# KiCad board latentpink.kicad_pcb (continued)
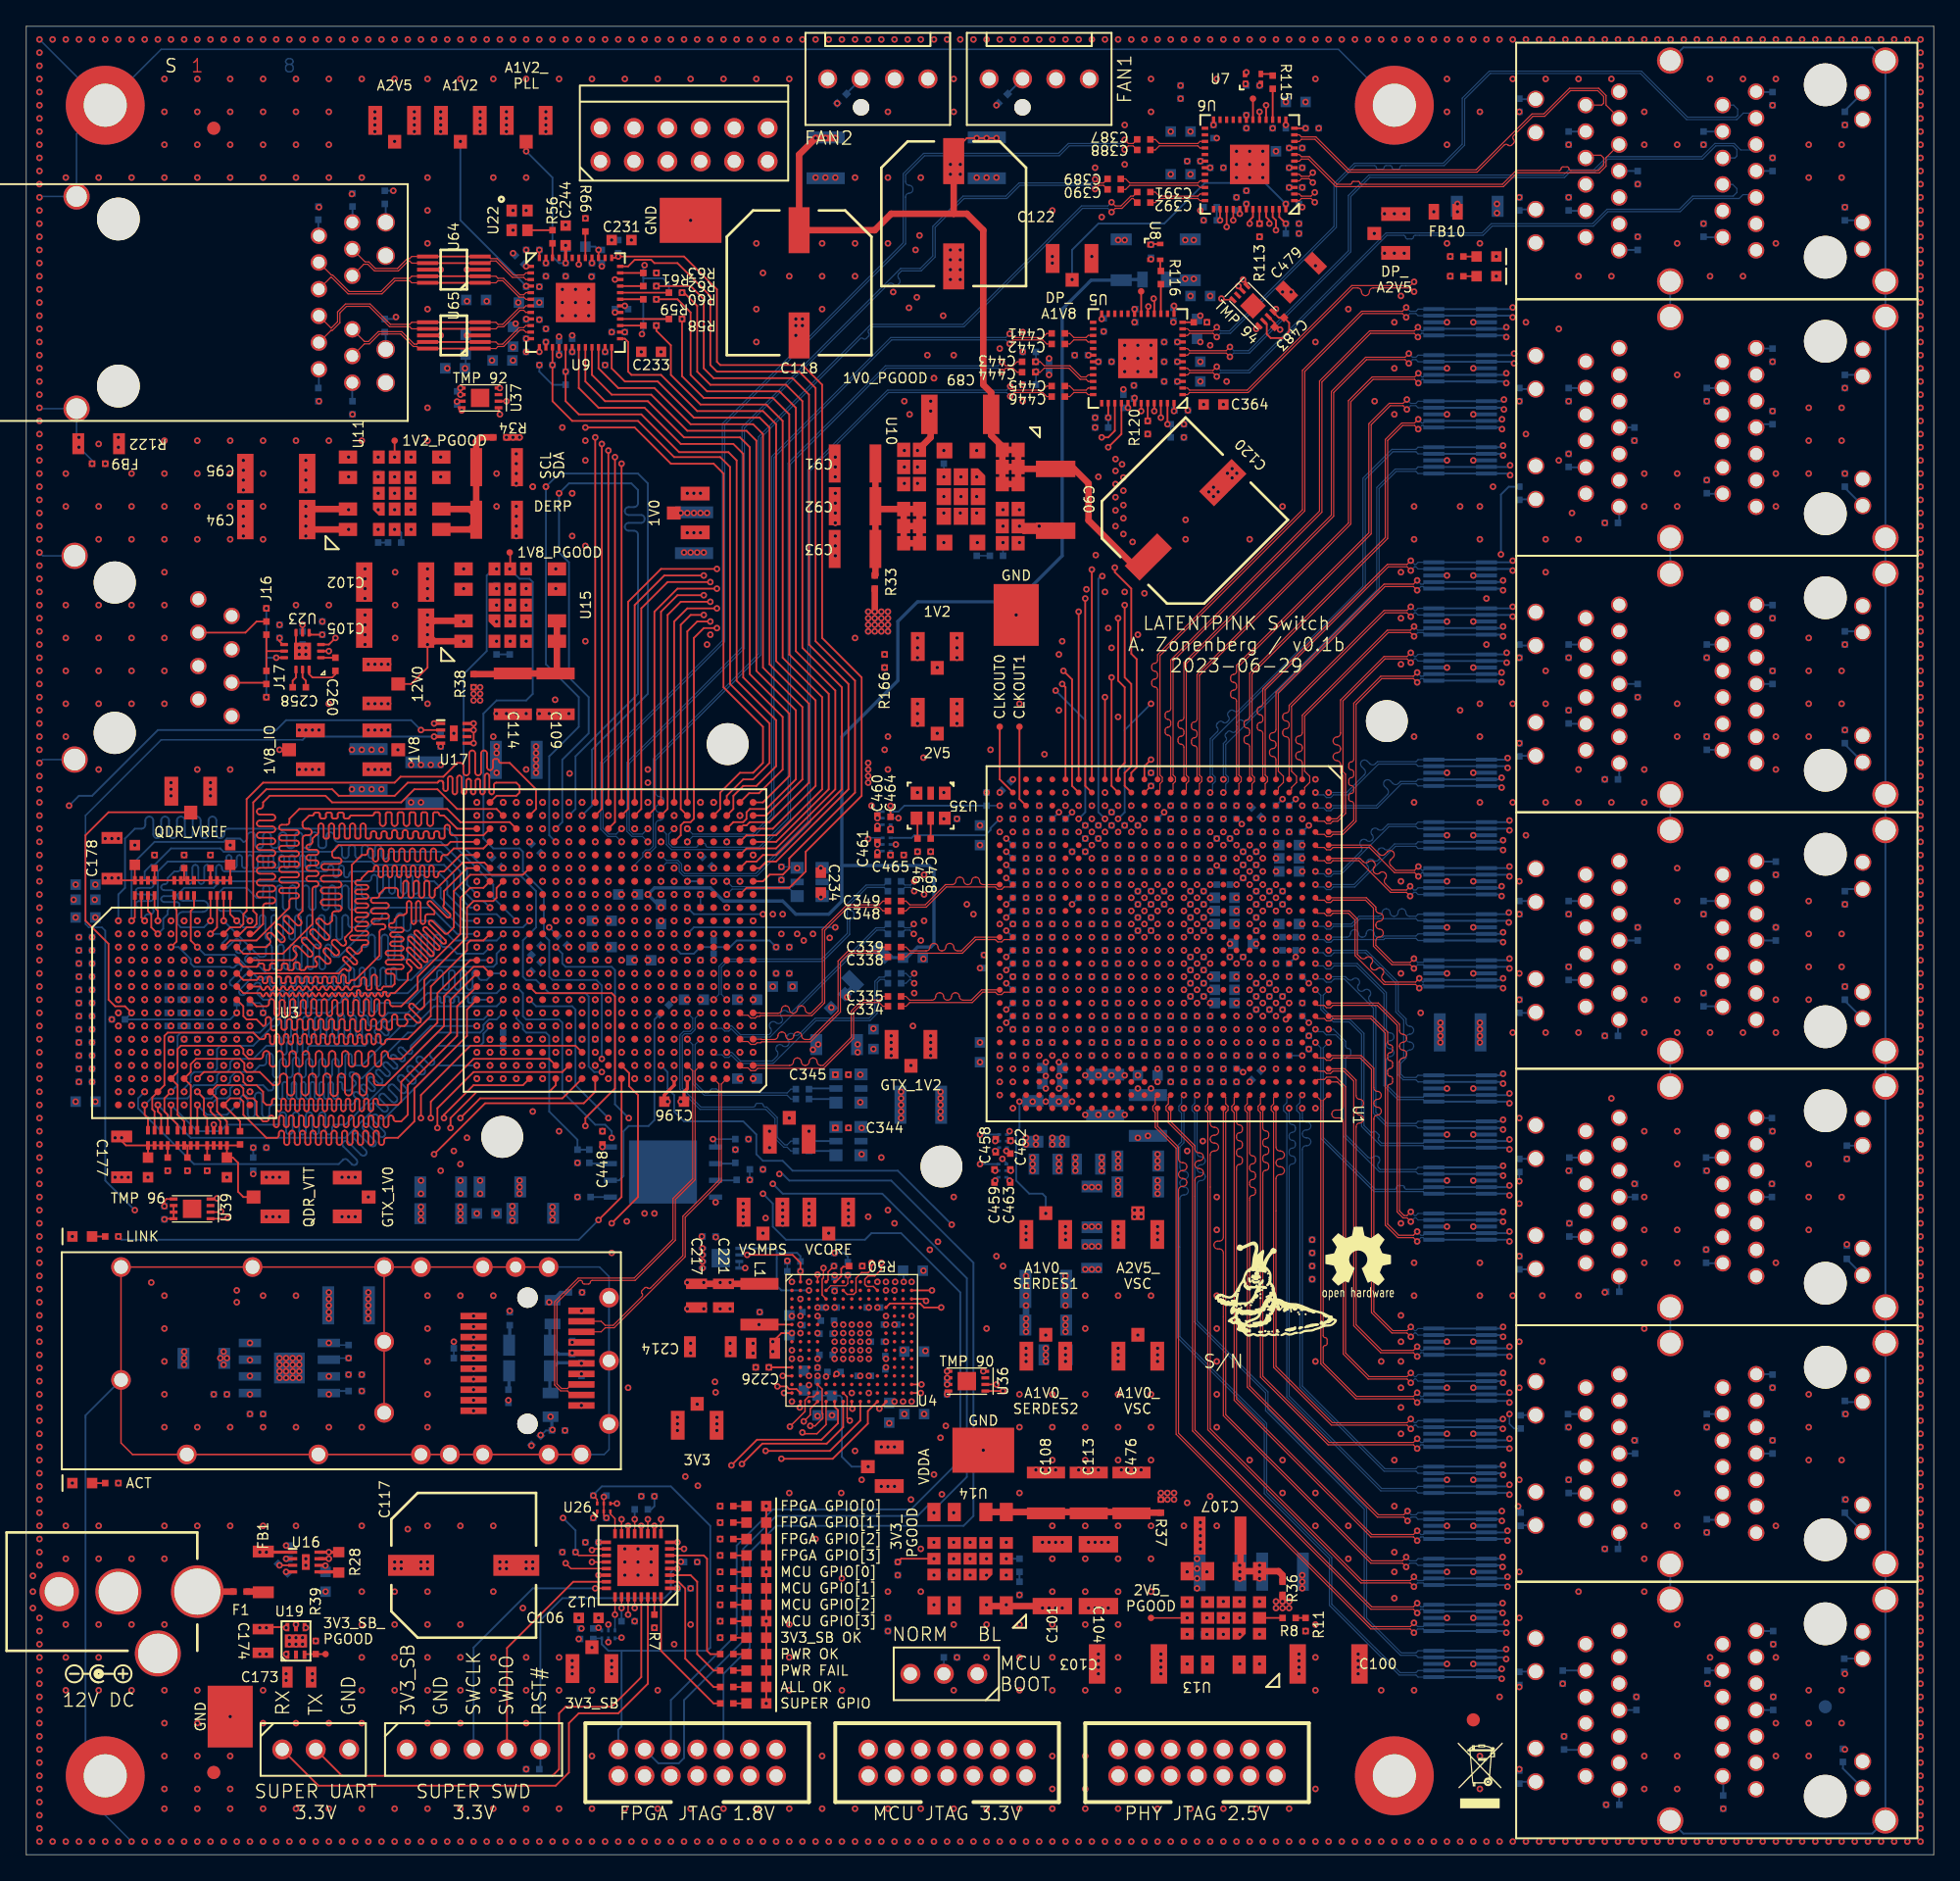
[diagram p0: board, top side]
## Nets (continued)
/Management/RGMII PHY/ETH_C_P: J5.3 U9.7 U65.5 U65.6
/Management/RGMII PHY/ETH_CLK_25MHZ: R56.1 U9.46
/Management/RGMII PHY/ETH_D_N: J5.8 U9.11 U65.1 U65.10
/Management/RGMII PHY/ETH_D_P: J5.9 U9.10 U65.2 U65.9
/Management/RGMII PHY/ETH_LED1_N_1V8: R65.2 U2.AA3 U9.17
/Management/RGMII PHY/ETH_LED2_N_1V8: R57.2 U2.AB3 U9.15
/Management/RGMII PHY/ETH_MDC: U2.T1 U9.36
/Management/RGMII PHY/ETH_MDIO: R73.2 U2.R2 U9.37
/Management/RGMII PHY/ETH_RST_N: U2.AA4 U9.42
/Management/RGMII PHY/ETH_RX_CLK: R63.1 R72.2 U2.T4
/Management/RGMII PHY/ETH_RX_DV: R62.1 R71.2 U2.U1
/Management/RGMII PHY/ETH_RXD0: R61.1 R70.2 U2.U2
/Management/RGMII PHY/ETH_RXD1: R60.1 R69.2 U2.V2
/Management/RGMII PHY/ETH_RXD2: R59.1 R68.2 U2.W1
/Management/RGMII PHY/ETH_RXD3: R58.1 R67.2 U2.W2
/Management/RGMII PHY/RGMII_TX_CLK: U2.Y2 U9.24
/Management/RGMII PHY/RGMII_TX_EN: U2.Y1 U9.25
/Management/RGMII PHY/RGMII_TXD0: U2.AB2 U9.19
/Management/RGMII PHY/RGMII_TXD1: U2.AB1 U9.20
/Management/RGMII PHY/RGMII_TXD2: U2.Y3 U9.21
/Management/RGMII PHY/RGMII_TXD3: U2.AA1 U9.22
/Management/RS232_RX: J16.3 J17.1 U23.9
/Management/RS232_RX_RJ45: J7.6 J17.2
/Management/RS232_TX: J16.1 J17.3 U23.8
/Management/RS232_TX_RJ45: J7.3 J16.2
/Management/SFP_LED0: R164.1 U2.A11
/Management/SFP_LED1: R165.1 U2.B11
/Management/VCORE: C205.1 C209.1 TP17.1 U4.A4 U4.A14 U4.R13
/Management/VLXSMPS: C218.1 L1.2 U4.F1
/Management/VSMPS: C203.1 C217.1 C221.1 L1.1 TP18.1 U4.A3 U4.A13 U4.G2 U4.R14
/MCU_RST_N: C226.1 U4.L1 U12.14
/Power Supply/ALL_OK: R24.1 U12.2
/Power Supply/FPGA_DONE_3V3: U12.16 U26.3
/Power Supply/FPGA_INIT_3V3: U12.25 U27.3
/Power Supply/PWR_FAIL: R27.1 U12.3
/Power Supply/PWR_OK: R26.1 U12.6
/Power Supply/SUPER_BOOT0: R7.1 U12.31
/Power Supply/SUPER_GPIO: R53.1 U12.32
/Power Supply/SUPER_RST_N: C111.1 J13.5 U12.4
/Power Supply/SUPER_SWCLK: J13.3 U12.24
/Power Supply/SUPER_SWDIO: J13.4 U12.23
/Power Supply/SUPER_UART_RX: J14.1 U12.30
/Power Supply/SUPER_UART_TX: J14.2 U12.29
/Power Supply/VTT_EN: R32.1 U12.21 U18.2
/QDR_VREF: C167.1 C175.1 C176.1 C188.1 C190.1 C191.1 C192.1 C449.1 C487.1 TP14.1 U2.C20 U2.D14 U2.K17 U2.R19 U2.U20 U2.V17 U3.H2 U3.H10 U18.4
/QDR_VTT: C168.1 C171.1 C177.1 C178.1 C179.1 C180.1 C181.1 C182.1 C183.1 C184.1 C185.1 C186.1 C187.1 C189.1 R112.2 RN1.1 RN1.2 RN1.3 RN1.4 RN2.1 RN2.2 RN2.3 RN2.4 RN3.1 RN3.2 RN3.3 RN3.4 RN4.1 RN4.2 RN4.3 RN4.4 RN5.1 RN5.2 RN5.3 RN5.4 RN6.1 RN6.2 RN6.3 RN6.4 TP13.1 U18.3 U18.8
/QSGMII PHY/ETH0_D0_N: J4.13 U1.G25 U48.4 U48.7
/QSGMII PHY/ETH0_D0_P: J4.6 U1.G26 U48.5 U48.6
/QSGMII PHY/ETH0_D1_N: J4.5 U1.H25 U48.1 U48.10
/QSGMII PHY/ETH0_D1_P: J4.11 U1.H26 U48.2 U48.9
/QSGMII PHY/ETH0_D2_N: J4.10 U1.J25 U49.5 U49.6
/QSGMII PHY/ETH0_D2_P: J4.3 U1.J26 U49.4 U49.7
/QSGMII PHY/ETH0_D3_N: J4.2 U1.K25 U49.1 U49.10
/QSGMII PHY/ETH0_D3_P: J4.9 U1.K26 U49.2 U49.9
/QSGMII PHY/ETH0_TAP_0: C393.2 J4.7
/QSGMII PHY/ETH0_TAP_1: C394.2 J4.12
/QSGMII PHY/ETH0_TAP_2: C395.2 J4.4
/QSGMII PHY/ETH0_TAP_3: C396.2 J4.8
/QSGMII PHY/ETH1_D0_N: J4.21 U1.M25 U52.1 U52.10
/QSGMII PHY/ETH1_D0_P: J4.15 U1.M26 U52.2 U52.9
/QSGMII PHY/ETH1_D1_N: J4.16 U1.L25 U52.4 U52.7
/QSGMII PHY/ETH1_D1_P: J4.23 U1.L26 U52.5 U52.6
/QSGMII PHY/ETH1_D2_N: J4.24 U1.P25 U53.1 U53.10
/QSGMII PHY/ETH1_D2_P: J4.18 U1.P26 U53.2 U53.9
/QSGMII PHY/ETH1_D3_N: J4.19 U1.N25 U53.4 U53.7
/QSGMII PHY/ETH1_D3_P: J4.26 U1.N26 U53.5 U53.6
/QSGMII PHY/ETH1_TAP_0: C397.2 J4.14
/QSGMII PHY/ETH1_TAP_1: C398.2 J4.22
/QSGMII PHY/ETH1_TAP_2: C399.2 J4.17
/QSGMII PHY/ETH1_TAP_3: C400.2 J4.25
/QSGMII PHY/ETH2_D0_N: J8.13 U1.B22 U56.4 U56.7
/QSGMII PHY/ETH2_D0_P: J8.6 U1.A22 U56.5 U56.6
/QSGMII PHY/ETH2_D1_N: J8.5 U1.B23 U56.1 U56.10
/QSGMII PHY/ETH2_D1_P: J8.11 U1.A23 U56.2 U56.9
/QSGMII PHY/ETH2_D2_N: J8.10 U1.B24 U57.5 U57.6
/QSGMII PHY/ETH2_D2_P: J8.3 U1.A24 U57.4 U57.7
/QSGMII PHY/ETH2_D3_N: J8.2 U1.B25 U57.1 U57.10
/QSGMII PHY/ETH2_D3_P: J8.9 U1.A25 U57.2 U57.9
/QSGMII PHY/ETH2_TAP_0: C401.2 J8.7
/QSGMII PHY/ETH2_TAP_1: C402.2 J8.12
/QSGMII PHY/ETH2_TAP_2: C403.2 J8.4
/QSGMII PHY/ETH2_TAP_3: C404.2 J8.8
/QSGMII PHY/ETH3_D0_N: J8.21 U1.D25 U60.1 U60.10
/QSGMII PHY/ETH3_D0_P: J8.15 U1.D26 U60.2 U60.9
/QSGMII PHY/ETH3_D1_N: J8.16 U1.C25 U60.4 U60.7
/QSGMII PHY/ETH3_D1_P: J8.23 U1.C26 U60.5 U60.6
/QSGMII PHY/ETH3_D2_N: J8.24 U1.F25 U61.1 U61.10
/QSGMII PHY/ETH3_D2_P: J8.18 U1.F26 U61.2 U61.9
/QSGMII PHY/ETH3_D3_N: J8.19 U1.E25 U61.4 U61.7
/QSGMII PHY/ETH3_D3_P: J8.26 U1.E26 U61.5 U61.6
/QSGMII PHY/ETH3_TAP_0: C405.2 J8.14
/QSGMII PHY/ETH3_TAP_1: C406.2 J8.22
/QSGMII PHY/ETH3_TAP_2: C407.2 J8.17
/QSGMII PHY/ETH3_TAP_3: C408.2 J8.25
/QSGMII PHY/ETH4_D0_N: J18.13 U1.B14 U41.4 U41.7
/QSGMII PHY/ETH4_D0_P: J18.6 U1.A14 U41.5 U41.6
/QSGMII PHY/ETH4_D1_N: J18.5 U1.B15 U41.1 U41.10
/QSGMII PHY/ETH4_D1_P: J18.11 U1.A15 U41.2 U41.9
/QSGMII PHY/ETH4_D2_N: J18.10 U1.B16 U42.4 U42.7
/QSGMII PHY/ETH4_D2_P: J18.3 U1.A16 U42.5 U42.6
/QSGMII PHY/ETH4_D3_N: J18.2 U1.B17 U42.1 U42.10
/QSGMII PHY/ETH4_D3_P: J18.9 U1.A17 U42.2 U42.9
/QSGMII PHY/ETH4_TAP_0: C409.2 J18.7
/QSGMII PHY/ETH4_TAP_1: C410.2 J18.12
/QSGMII PHY/ETH4_TAP_2: C411.2 J18.4
/QSGMII PHY/ETH4_TAP_3: C412.2 J18.8
/QSGMII PHY/ETH5_D0_N: J18.21 U1.B19 U44.1 U44.10
/QSGMII PHY/ETH5_D0_P: J18.15 U1.A19 U44.2 U44.9
/QSGMII PHY/ETH5_D1_N: J18.16 U1.B18 U44.4 U44.7
/QSGMII PHY/ETH5_D1_P: J18.23 U1.A18 U44.5 U44.6
/QSGMII PHY/ETH5_D2_N: J18.24 U1.B21 U45.1 U45.10
/QSGMII PHY/ETH5_D2_P: J18.18 U1.A21 U45.2 U45.9
/QSGMII PHY/ETH5_D3_N: J18.19 U1.B20 U45.4 U45.7
/QSGMII PHY/ETH5_D3_P: J18.26 U1.A20 U45.5 U45.6
/QSGMII PHY/ETH5_TAP_0: C413.2 J18.14
/QSGMII PHY/ETH5_TAP_1: C414.2 J18.22
/QSGMII PHY/ETH5_TAP_2: C415.2 J18.17
/QSGMII PHY/ETH5_TAP_3: C416.2 J18.25
/QSGMII PHY/ETH6_D0_N: J19.13 U1.B6 U50.4 U50.7
/QSGMII PHY/ETH6_D0_P: J19.6 U1.A6 U50.5 U50.6
/QSGMII PHY/ETH6_D1_N: J19.5 U1.B7 U50.1 U50.10
/QSGMII PHY/ETH6_D1_P: J19.11 U1.A7 U50.2 U50.9
/QSGMII PHY/ETH6_D2_N: J19.10 U1.B8 U51.4 U51.7
/QSGMII PHY/ETH6_D2_P: J19.3 U1.A8 U51.5 U51.6
/QSGMII PHY/ETH6_D3_N: J19.2 U1.B9 U51.1 U51.10
/QSGMII PHY/ETH6_D3_P: J19.9 U1.A9 U51.2 U51.9
/QSGMII PHY/ETH6_TAP_0: C417.2 J19.7
/QSGMII PHY/ETH6_TAP_1: C418.2 J19.12
/QSGMII PHY/ETH6_TAP_2: C419.2 J19.4
/QSGMII PHY/ETH6_TAP_3: C420.2 J19.8
/QSGMII PHY/ETH7_D0_N: J19.21 U1.B11 U54.1 U54.10
/QSGMII PHY/ETH7_D0_P: J19.15 U1.A11 U54.2 U54.9
/QSGMII PHY/ETH7_D1_N: J19.16 U1.B10 U54.4 U54.7
/QSGMII PHY/ETH7_D1_P: J19.23 U1.A10 U54.5 U54.6
/QSGMII PHY/ETH7_D2_N: J19.24 U1.B13 U55.1 U55.10
/QSGMII PHY/ETH7_D2_P: J19.18 U1.A13 U55.2 U55.9
/QSGMII PHY/ETH7_D3_N: J19.19 U1.B12 U55.4 U55.7
/QSGMII PHY/ETH7_D3_P: J19.26 U1.A12 U55.5 U55.6
/QSGMII PHY/ETH7_TAP_0: C421.2 J19.14
/QSGMII PHY/ETH7_TAP_1: C422.2 J19.22
/QSGMII PHY/ETH7_TAP_2: C423.2 J19.17
/QSGMII PHY/ETH7_TAP_3: C424.2 J19.25
/QSGMII PHY/ETH8_D0_N: J20.13 U1.E2 U58.1 U58.10
/QSGMII PHY/ETH8_D0_P: J20.6 U1.E1 U58.2 U58.9
/QSGMII PHY/ETH8_D1_N: J20.5 U1.F2 U58.4 U58.7
/QSGMII PHY/ETH8_D1_P: J20.11 U1.F1 U58.5 U58.6
/QSGMII PHY/ETH8_D2_N: J20.10 U1.C2 U59.1 U59.10
/QSGMII PHY/ETH8_D2_P: J20.3 U1.C1 U59.2 U59.9
/QSGMII PHY/ETH8_D3_N: J20.2 U1.D2 U59.4 U59.7
/QSGMII PHY/ETH8_D3_P: J20.9 U1.D1 U59.5 U59.6
/QSGMII PHY/ETH8_TAP_0: C425.2 J20.7
/QSGMII PHY/ETH8_TAP_1: C426.2 J20.12
/QSGMII PHY/ETH8_TAP_2: C427.2 J20.4
/QSGMII PHY/ETH8_TAP_3: C428.2 J20.8
/QSGMII PHY/ETH9_D0_N: J20.21 U1.B3 U62.1 U62.10
/QSGMII PHY/ETH9_D0_P: J20.15 U1.A3 U62.2 U62.9
/QSGMII PHY/ETH9_D1_N: J20.16 U1.B2 U62.4 U62.7
/QSGMII PHY/ETH9_D1_P: J20.23 U1.A2 U62.5 U62.6
/QSGMII PHY/ETH9_D2_N: J20.24 U1.B5 U63.1 U63.10
/QSGMII PHY/ETH9_D2_P: J20.18 U1.A5 U63.2 U63.9
/QSGMII PHY/ETH9_D3_N: J20.19 U1.B4 U63.4 U63.7
/QSGMII PHY/ETH9_D3_P: J20.26 U1.A4 U63.5 U63.6
/QSGMII PHY/ETH9_TAP_0: C429.2 J20.14
/QSGMII PHY/ETH9_TAP_1: C430.2 J20.22
/QSGMII PHY/ETH9_TAP_2: C431.2 J20.17
/QSGMII PHY/ETH9_TAP_3: C432.2 J20.25
/QSGMII PHY/ETH10_D0_N: J21.13 U1.P2 U40.4 U40.7
/QSGMII PHY/ETH10_D0_P: J21.6 U1.P1 U40.5 U40.6
/QSGMII PHY/ETH10_D1_N: J21.5 U1.N2 U40.1 U40.10
/QSGMII PHY/ETH10_D1_P: J21.11 U1.N1 U40.2 U40.9
/QSGMII PHY/ETH10_D2_N: J21.10 U1.M2 U43.4 U43.7
/QSGMII PHY/ETH10_D2_P: J21.3 U1.M1 U43.5 U43.6
/QSGMII PHY/ETH10_D3_N: J21.2 U1.L2 U43.1 U43.10
/QSGMII PHY/ETH10_D3_P: J21.9 U1.L1 U43.2 U43.9
/QSGMII PHY/ETH10_TAP_0: C433.2 J21.7
/QSGMII PHY/ETH10_TAP_1: C434.2 J21.12
/QSGMII PHY/ETH10_TAP_2: C435.2 J21.4
/QSGMII PHY/ETH10_TAP_3: C436.2 J21.8
/QSGMII PHY/ETH11_D0_N: J21.21 U1.J2 U46.1 U46.10
/QSGMII PHY/ETH11_D0_P: J21.15 U1.J1 U46.2 U46.9
/QSGMII PHY/ETH11_D1_N: J21.16 U1.K2 U46.4 U46.7
/QSGMII PHY/ETH11_D1_P: J21.23 U1.K1 U46.5 U46.6
/QSGMII PHY/ETH11_D2_N: J21.24 U1.G2 U47.1 U47.10
/QSGMII PHY/ETH11_D2_P: J21.18 U1.G1 U47.2 U47.9
/QSGMII PHY/ETH11_D3_N: J21.19 U1.H2 U47.4 U47.7
/QSGMII PHY/ETH11_D3_P: J21.26 U1.H1 U47.5 U47.6
/QSGMII PHY/ETH11_TAP_0: C437.2 J21.14
/QSGMII PHY/ETH11_TAP_1: C438.2 J21.22
/QSGMII PHY/ETH11_TAP_2: C439.2 J21.17
/QSGMII PHY/ETH11_TAP_3: C440.2 J21.25
/QSGMII PHY/GTX_REFCLK_156M25_N: C343.2 U2.D5
/QSGMII PHY/GTX_REFCLK_156M25_P: C342.2 U2.D6
/QSGMII PHY/GTX_REFCLK_SPARE_N: C341.2 U2.F5
/QSGMII PHY/GTX_REFCLK_SPARE_P: C340.2 U2.F6
/QSGMII PHY/PHY0_LED0_N: J4.31 R81.1
/QSGMII PHY/PHY0_LED1_N: J4.33 R93.1
/QSGMII PHY/PHY1_LED0_N: J4.27 R82.1
/QSGMII PHY/PHY1_LED1_N: J4.29 R94.1
/QSGMII PHY/PHY2_LED0_N: J8.31 R83.1
/QSGMII PHY/PHY2_LED1_N: J8.33 R95.1
/QSGMII PHY/PHY3_LED0_N: J8.27 R84.1
/QSGMII PHY/PHY3_LED1_N: J8.29 R96.1
/QSGMII PHY/PHY4_LED0_N: J18.31 R85.1
/QSGMII PHY/PHY4_LED1_N: J18.33 R97.1
/QSGMII PHY/PHY5_LED0_N: J18.27 R86.1
/QSGMII PHY/PHY5_LED1_N: J18.29 R98.1
/QSGMII PHY/PHY6_LED0_N: J19.31 R87.1
/QSGMII PHY/PHY6_LED1_N: J19.33 R99.1
/QSGMII PHY/PHY7_LED0_N: J19.27 R88.1
/QSGMII PHY/PHY7_LED1_N: J19.29 R100.1
/QSGMII PHY/PHY8_LED0_N: J20.31 R89.1
/QSGMII PHY/PHY8_LED1_N: J20.33 R101.1
/QSGMII PHY/PHY9_LED0_N: J20.27 R90.1
/QSGMII PHY/PHY9_LED1_N: J20.29 R102.1
/QSGMII PHY/PHY10_LED0_N: J21.31 R91.1
/QSGMII PHY/PHY10_LED1_N: J21.33 R103.1
/QSGMII PHY/PHY11_LED0_N: J21.27 R92.1
/QSGMII PHY/PHY11_LED1_N: J21.29 R104.1
/QSGMII PHY/PHY_REFCLK_125MHZ_N: C468.2 U1.AA8
/QSGMII PHY/PHY_REFCLK_125MHZ_P: C467.2 U1.Y8
/QSGMII PHY/QSGMII_0_RX_AC_N: C337.2 U1.AA17
/QSGMII PHY/QSGMII_0_RX_AC_P: C336.2 U1.Y17
/QSGMII PHY/QSGMII_0_RX_N: C337.1 U2.C3
/QSGMII PHY/QSGMII_0_RX_P: C336.1 U2.C4
/QSGMII PHY/QSGMII_0_TX_AC_N: C335.2 U1.AF17
/QSGMII PHY/QSGMII_0_TX_AC_P: C334.2 U1.AE17
/QSGMII PHY/QSGMII_0_TX_N: C335.1 U2.B1
/QSGMII PHY/QSGMII_0_TX_P: C334.1 U2.B2
/QSGMII PHY/QSGMII_1_RX_AC_N: C347.2 U1.AA13
/QSGMII PHY/QSGMII_1_RX_AC_P: C346.2 U1.Y13
/QSGMII PHY/QSGMII_1_RX_N: C347.1 U2.E3
/QSGMII PHY/QSGMII_1_RX_P: C346.1 U2.E4
/QSGMII PHY/QSGMII_1_TX_AC_N: C339.2 U1.AF13
/QSGMII PHY/QSGMII_1_TX_AC_P: C338.2 U1.AE13
/QSGMII PHY/QSGMII_1_TX_N: C339.1 U2.D1
/QSGMII PHY/QSGMII_1_TX_P: C338.1 U2.D2
/QSGMII PHY/QSGMII_2_RX_AC_N: C351.2 U1.Y9
/QSGMII PHY/QSGMII_2_RX_AC_P: C350.2 U1.AA9
/QSGMII PHY/QSGMII_2_RX_N: C351.1 U2.G3
/QSGMII PHY/QSGMII_2_RX_P: C350.1 U2.G4
/QSGMII PHY/QSGMII_2_TX_AC_N: C349.2 U1.AF9
/QSGMII PHY/QSGMII_2_TX_AC_P: C348.2 U1.AE9
/QSGMII PHY/QSGMII_2_TX_N: C349.1 U2.F1
/QSGMII PHY/QSGMII_2_TX_P: C348.1 U2.F2
/QSGMII PHY/SFP_3V3: C469.1 C470.1 L6.2 L7.2 R134.1
/QSGMII PHY/SFP_I2C_SCL: J1.5 R79.1 U4.P4
/QSGMII PHY/SFP_I2C_SDA: J1.4 R78.1 U4.R5
/QSGMII PHY/SFP_MOD_ABS: J1.6 U4.J1
/QSGMII PHY/SFP_RS0: J1.7 U4.K1
/QSGMII PHY/SFP_RS1: J1.9 U4.R4
/QSGMII PHY/SFP_RX_LOS: J1.8 U2.D11 U4.N4
/QSGMII PHY/SFP_RX_N: J1.12 U2.B6
/QSGMII PHY/SFP_RX_P: J1.13 U2.B5
/QSGMII PHY/SFP_TX_DISABLE: J1.3 U4.P15
/QSGMII PHY/SFP_TX_FAULT: J1.2 U4.N15
/QSGMII PHY/SFP_TX_N: J1.19 U2.A4
/QSGMII PHY/SFP_TX_P: J1.18 U2.A3
/QSGMII PHY/SFP_VDD_RX: C471.1 C473.1 J1.15 L6.1
/QSGMII PHY/SFP_VDD_TX: C472.1 C474.1 J1.16 L7.1
/QSGMII PHY/VSC_CLKOUT_0: TP20.1 U1.AE2
/QSGMII PHY/VSC_CLKOUT_1: TP19.1 U1.AD3
/QSGMII PHY/VSC_FAST_STATUS: U1.R1 U31.4
/QSGMII PHY/VSC_FAST_STATUS_1V8: U2.R7 U31.3
/QSGMII PHY/VSC_JTAG_TCK: J3.6 U1.D17
/QSGMII PHY/VSC_JTAG_TDI: J3.10 U1.D18
/QSGMII PHY/VSC_JTAG_TDO: J3.8 U1.D19
/QSGMII PHY/VSC_JTAG_TMS: J3.4 U1.D20
/QSGMII PHY/VSC_MDC: U1.AF4 U33.4
/QSGMII PHY/VSC_MDC_1V8: U2.T8 U33.3
/QSGMII PHY/VSC_MDINT: R133.1 U1.R2 U32.4
/QSGMII PHY/VSC_MDINT_1V8: U2.R6 U32.3
/QSGMII PHY/VSC_MDIO: R132.1 U1.AF3 U34.4
/QSGMII PHY/VSC_MDIO_1V8: U2.U7 U34.3
/QSGMII PHY/VSC_MDIO_OE: U2.U6 U34.5
/QSGMII PHY/VSC_POWERDOWN: R107.1 U1.C3 U4.B12
/QSGMII PHY/VSC_RST_N: R106.2 U1.C4 U4.D12
/SGMII PHYs/DP_A1V8: C359.1 C363.1 C367.1 C371.1 C374.1 C377.1 C480.1 FB11.1 TP27.1 U5.13 U5.48 U6.13 U6.48
/SGMII PHYs/DP_A2V5: C357.1 C361.1 C365.1 C369.1 C379.1 C380.1 C479.1 FB10.1 TP26.1 U5.3 U5.9 U6.3 U6.9
/SGMII PHYs/DP_CLKOUT0: TP21.1 U6.18
/SGMII PHYs/DP_CLKOUT1: TP22.1 U5.18
/SGMII PHYs/DP_MDC: U2.AB12 U5.16 U6.16
/SGMII PHYs/DP_MDIO: R119.2 U2.Y12 U5.17 U6.17
/SGMII PHYs/ETH12_A_N: J22.21 U6.2
/SGMII PHYs/ETH12_A_P: J22.15 U6.1
/SGMII PHYs/ETH12_A_TAP: C450.1 J22.14
/SGMII PHYs/ETH12_B_N: J22.16 U6.5
/SGMII PHYs/ETH12_B_P: J22.23 U6.4
/SGMII PHYs/ETH12_B_TAP: C451.1 J22.22
/SGMII PHYs/ETH12_C_N: J22.24 U6.8
/SGMII PHYs/ETH12_C_P: J22.18 U6.7
/SGMII PHYs/ETH12_C_TAP: C452.1 J22.17
/SGMII PHYs/ETH12_D_N: J22.19 U6.11
/SGMII PHYs/ETH12_D_P: J22.26 U6.10
/SGMII PHYs/ETH12_D_TAP: C453.1 J22.25
/SGMII PHYs/ETH12_GPIO_0: U2.AB8 U6.39
/SGMII PHYs/ETH12_GPIO_1: U2.AA8 U6.40
/SGMII PHYs/ETH12_INT_N: R113.2 U2.AA6 U6.44
/SGMII PHYs/ETH12_LED0_1V8: R139.1 R140.1 U2.AB5 U6.47
/SGMII PHYs/ETH12_LED1_1V8: U2.W7 U6.46
/SGMII PHYs/ETH12_LED2_1V8: U2.AB6 U6.45
/SGMII PHYs/ETH12_RST_N: U2.AB7 U6.43
/SGMII PHYs/ETH12_RX_CTRL_STRAP: R137.1 R138.1 U6.38
/SGMII PHYs/ETH12_SGMII_CLKOUT_AC_N: C390.2 U2.Y9
/SGMII PHYs/ETH12_SGMII_CLKOUT_AC_P: C389.2 U2.W9
/SGMII PHYs/ETH12_SGMII_CLKOUT_N: C390.1 U6.34
/SGMII PHYs/ETH12_SGMII_CLKOUT_P: C389.1 U6.33
/SGMII PHYs/ETH12_SGMII_RX_AC_N: C392.2 U2.V9
/SGMII PHYs/ETH12_SGMII_RX_AC_P: C391.2 U2.U10
/SGMII PHYs/ETH12_SGMII_RX_N: C392.1 U6.36
/SGMII PHYs/ETH12_SGMII_RX_P: C391.1 U6.35
/SGMII PHYs/ETH12_SGMII_TX_AC_N: C388.2 U2.Y11
/SGMII PHYs/ETH12_SGMII_TX_AC_P: C387.2 U2.W11
/SGMII PHYs/ETH12_SGMII_TX_N: C388.1 U6.28
/SGMII PHYs/ETH12_SGMII_TX_P: C387.1 U6.27
/SGMII PHYs/ETH13_A_N: J22.13 U5.11
/SGMII PHYs/ETH13_A_P: J22.6 U5.10
/SGMII PHYs/ETH13_A_TAP: C454.1 J22.7
/SGMII PHYs/ETH13_B_N: J22.5 U5.8
/SGMII PHYs/ETH13_B_P: J22.11 U5.7
/SGMII PHYs/ETH13_B_TAP: C455.1 J22.12
/SGMII PHYs/ETH13_C_N: J22.10 U5.5
/SGMII PHYs/ETH13_C_P: J22.3 U5.4
/SGMII PHYs/ETH13_C_TAP: C456.1 J22.4
/SGMII PHYs/ETH13_D_N: J22.2 U5.2
/SGMII PHYs/ETH13_D_P: J22.9 U5.1
/SGMII PHYs/ETH13_D_TAP: C457.1 J22.8
/SGMII PHYs/ETH13_GPIO_0: U2.AB13 U5.39
/SGMII PHYs/ETH13_GPIO_1: U2.AA13 U5.40
/SGMII PHYs/ETH13_INT_N: R120.2 U2.AB10 U5.44
/SGMII PHYs/ETH13_LED0_1V8: R143.1 R144.1 U2.AA9 U5.47
/SGMII PHYs/ETH13_LED1_1V8: U2.AA10 U5.46
/SGMII PHYs/ETH13_LED2_1V8: U2.AA11 U5.45
/SGMII PHYs/ETH13_RST_N: U2.AB11 U5.43
/SGMII PHYs/ETH13_RX_CTRL_STRAP: R141.1 R142.1 U5.38
/SGMII PHYs/ETH13_SGMII_CLKOUT_AC_N: C444.2 U2.Y8
/SGMII PHYs/ETH13_SGMII_CLKOUT_AC_P: C443.2 U2.Y7
/SGMII PHYs/ETH13_SGMII_CLKOUT_N: C444.1 R147.1 R148.1 U5.34
/SGMII PHYs/ETH13_SGMII_CLKOUT_P: C443.1 R145.1 R146.1 U5.33
/SGMII PHYs/ETH13_SGMII_RX_AC_N: C446.2 U2.U8
/SGMII PHYs/ETH13_SGMII_RX_AC_P: C445.2 U2.V8
/SGMII PHYs/ETH13_SGMII_RX_N: C446.1 U5.36
/SGMII PHYs/ETH13_SGMII_RX_P: C445.1 U5.35
/SGMII PHYs/ETH13_SGMII_TX_AC_N: C442.2 U2.W6
/SGMII PHYs/ETH13_SGMII_TX_AC_P: C441.2 U2.Y6
/SGMII PHYs/ETH13_SGMII_TX_N: C442.1 U5.28
/SGMII PHYs/ETH13_SGMII_TX_P: C441.1 U5.27
/SGMII PHYs/PHY_CLK_25MHZ_0: R115.2 U6.15
/SGMII PHYs/PHY_CLK_25MHZ_1: R116.2 U5.15
/TEMP_I2C_SCL: R155.1 U4.A5 U36.2 U37.2 U38.2 U39.2
/TEMP_I2C_SDA: R49.1 U4.B5 U36.1 U37.1 U38.1 U39.1
Net-(C121-Pad1): C121.1 U16.6
Net-(C235-Pad2): C235.2 J5.12
Net-(C236-Pad2): C236.2 J5.6
Net-(C237-Pad2): C237.2 J5.1
Net-(C238-Pad2): C238.2 J5.7
Net-(C258-Pad1): C258.1 U23.11
Net-(C258-Pad2): C258.2 U23.10
Net-(C259-Pad1): C259.1 U23.7
Net-(C260-Pad1): C260.1 U23.1
Net-(C260-Pad2): C260.2 U23.12
Net-(C261-Pad1): C261.1 U23.4
Net-(C340-Pad1): C340.1 U24.4
Net-(C341-Pad1): C341.1 U24.5
Net-(C342-Pad1): C342.1 U25.4
Net-(C343-Pad1): C343.1 U25.5
Net-(C467-Pad1): C467.1 U35.4
Net-(C468-Pad1): C468.1 U35.5
Net-(C471-Pad2): C471.2 R135.2
Net-(C472-Pad2): C472.2 R136.2
Net-(D1-Pad2): D1.2 R24.2
Net-(D2-Pad2): D2.2 R25.2
Net-(D3-Pad2): D3.2 R26.2
Net-(D4-Pad2): D4.2 R27.2
Net-(D5-Pad2): D5.2 R53.2
Net-(D6-Pad2): D6.2 R153.2
Net-(D7-Pad2): D7.2 R154.2
Net-(D8-Pad2): D8.2 R156.2
Net-(D9-Pad2): D9.2 R157.2
Net-(D10-Pad2): D10.2 R158.2
Net-(D11-Pad2): D11.2 R159.2
Net-(D12-Pad2): D12.2 R160.2
Net-(D13-Pad2): D13.2 R161.2
Net-(D14-Pad2): D14.2 R162.2
Net-(D15-Pad2): D15.2 R163.2
Net-(D16-Pad2): D16.2 R164.2
Net-(D17-Pad2): D17.2 R165.2
Net-(F1-Pad2): F1.2 FB1.1
Net-(J5-Pad14): J5.14 R54.2
Net-(J5-Pad16): J5.16 R55.2
Net-(J15-Pad2): J15.2 R48.2
Net-(J22-Pad28): J22.28 R149.2
Net-(J22-Pad30): J22.30 R150.2
Net-(J22-Pad32): J22.32 R151.2
Net-(J22-Pad34): J22.34 R152.2
Net-(R1-Pad1): R1.1 U10.22
Net-(R1-Pad2): R1.2 R2.2
Net-(R5-Pad1): R5.1 U11.4
Net-(R5-Pad2): R5.2 R6.2
Net-(R8-Pad1): R8.1 U13.4
Net-(R9-Pad1): R9.1 U14.4
Net-(R10-Pad1): R10.1 U15.4
Net-(R10-Pad2): R10.2 R13.2
Net-(R11-Pad2): R8.2 R11.2
Net-(R12-Pad2): R9.2 R12.2
Net-(R43-Pad2): R43.2 U2.G7
Net-(R44-Pad2): R44.2 U2.H7
Net-(R45-Pad2): R45.2 U2.H6
Net-(R46-Pad2): R46.2 U2.J5
Net-(R47-Pad2): R47.2 U3.H11
Net-(R50-Pad2): R50.2 U4.A6
Net-(R56-Pad2): R56.2 U22.3
Net-(R76-Pad2): R76.2 U2.K18
Net-(R80-Pad1): R80.1 U2.H2
Net-(R80-Pad2): R80.2 U2.H1
Net-(R83-Pad2): R83.2 U1.U4
Net-(R84-Pad2): R84.2 U1.V1
Net-(R85-Pad2): R85.2 U1.U2
Net-(R86-Pad2): R86.2 U1.U3
Net-(R87-Pad2): R87.2 U1.T4
Net-(R88-Pad2): R88.2 U1.U1
Net-(R89-Pad2): R89.2 U1.T2
Net-(R90-Pad2): R90.2 U1.T3
Net-(R91-Pad2): R91.2 U1.R4
Net-(R92-Pad2): R92.2 U1.T1
Net-(R93-Pad2): R93.2 U1.AA2
Net-(R94-Pad2): R94.2 U1.AA3
Net-(R95-Pad2): R95.2 U1.Y4
Net-(R96-Pad2): R96.2 U1.AA1
Net-(R97-Pad2): R97.2 U1.Y2
Net-(R98-Pad2): R98.2 U1.Y3
Net-(R99-Pad2): R99.2 U1.W4
Net-(R100-Pad2): R100.2 U1.Y1
Net-(R101-Pad2): R101.2 U1.W2
Net-(R102-Pad2): R102.2 U1.W3
Net-(R103-Pad2): R103.2 U1.V4
Net-(R104-Pad2): R104.2 U1.W1
Net-(R108-Pad2): R108.2 R130.2 U1.D21
Net-(R115-Pad1): R115.1 U7.3
Net-(R116-Pad1): R116.1 U8.3
Net-(R117-Pad2): R117.2 U2.T6
Net-(R118-Pad2): R118.2 U2.T14
Net-(R123-Pad2): R123.2 U28.2
Net-(R124-Pad2): R124.2 U28.3
Net-(R125-Pad1): R125.1 U28.7
Net-(R126-Pad1): R126.1 U28.5
Net-(U1-PadAE22): R105.1 U1.AE22
Net-(U1-PadAF22): R105.2 U1.AF22
Net-(U1-PadE13): R110.2 U1.E13
Net-(U1-PadE14): C353.1 U1.E14
Net-(U1-PadK4): R109.2 U1.K4
Net-(U1-PadK23): R111.2 U1.K23
Net-(U1-PadL4): C352.1 U1.L4
Net-(U1-PadL23): C354.1 U1.L23
Net-(U1-PadV2): R81.2 U1.V2
Net-(U1-PadV3): R82.2 U1.V3
Net-(U5-Pad12): R121.2 U5.12
Net-(U6-Pad12): R114.2 U6.12
Net-(U9-Pad27): R58.2 U9.27
Net-(U9-Pad28): R59.2 U9.28
Net-(U9-Pad31): R60.2 U9.31
Net-(U9-Pad32): R61.2 U9.32
Net-(U9-Pad33): R62.2 U9.33
Net-(U9-Pad35): R63.2 U9.35
Net-(U9-Pad41): R66.2 U9.41
Net-(U9-Pad48): R64.2 U9.48

Pads without a net: FID1 1; FID2 1; FID3 1; FID4 1; FID5 1; FID6 1; J3 1 12 13 14; J6 3; J7 1 2 7 8; J9 1 12 13 14; J10 1 12 13 14; RN6 6 7; U1 AA4 AA6 AA7 AA10 AA11 AA14 AA15 AA18 AA19 AA21 AA23 AA24 AA25 AA26 AB1 AB2 AB3 AB4 AB23 AB24 AB25 AB26 AC1 AC2 AC23 AC24 AC25 AC26 AD1 AD2 AD24 AD25 AD26 AE6 AE7 AE8 AE10 AE11 AE14 AE15 AE18 AE19 AE21 AE25 AF6 AF7 AF8 AF10 AF11 AF14 AF15 AF18 AF19 AF21 C5 C9 C10 C11 C15 C16 C17 C19 C20 C21 C24 D3 D6 D7 D8 D9 D10 D12 D13 D14 D15 D22 D23 D24 E3 E24 F3 F13 F14 F24 G4 G13 G14 G23 H4 H13 H14 H23 J8 J9 J10 J11 J12 J13 J14 J15 J16 J17 J18 J19 P4 R3 R23 R24 R25 R26 T23 T24 T25 T26 U23 U24 U25 U26 V23 V24 V25 V26 W23 W24 W25 W26 Y6 Y7 Y10 Y11 Y14 Y15 Y18 Y19 Y21 Y23 Y24 Y25 Y26; U2 AA5 B12 C12 C17 C18 D10 D12 D15 D20 E11 E14 F8 F15 G17 H15 H17 J19 K1 K2 K3 K16 K19 L1 L3 L4 L5 L18 L19 M1 M2 M3 M5 M16 M17 M18 N2 N3 N4 N5 N17 P1 P2 P4 P5 P16 P17 P19 P20 R1 R4 R17 R18 R21 T5 T9 T10 T11 T13 T18 U3 U5 U11 U12 U13 V3 V4 V7 V10 V12 V13 W4 W5 W10 W12 W14 Y4 Y13; U3 C6 R1 R10 R11; U4 A7 A8 A9 A10 B1 B2 B4 B8 B9 B10 B14 C1 C3 C4 C6 C7 C8 C9 C10 C11 C12 C13 C14 D1 D2 D3 D7 D8 D9 D13 D14 D15 E3 E13 E14 F3 F4 F14 F15 G3 G12 G13 G14 G15 H1 H2 H3 H4 H13 H14 H15 J2 J3 J4 J12 J13 J15 K3 K13 K14 K15 L2 L3 L13 L14 L15 M2 M7 M8 M11 M12 M13 M14 M15 N1 N2 N5 N6 N7 N8 N9 N10 N11 N12 N13 N14 P3 P5 P6 P9 P11 P12 P13 P14 R3 R10; U5 14 20 21 22 23 25 26 29 32 37; U6 14 20 21 22 23 25 26 29 32 37; U9 38 43 45; U17 6; U19 2; U20 PAD; U21 2; U24 2; U25 2; U28 PAD; U35 2; U36 3 PAD; U37 3 PAD; U38 3 PAD; U39 3 PAD

## Via types
v1: diameter 0.5, hole 0.25, Top to Bottom, 4034 vias

## Routing (per net, layer and track width the routed paths; a pad name or vN(x,y) marks a point on that pad's centre or on a via; arc(x,y) is an arc through that point)
/1V0: length 380.7
  Top w0.115: TP12.1 v1(49.75,102)
  Top w0.14: v1(92.75,125.5) U6.42 ; U6.6 v1(96,128.25) ; v1(81.5,113.5) U5.31 ; U5.6 v1(87.5,113.5) ; v1(90,128.25) U6.31 ; v1(81.75,116.75) U5.24 ; v1(90.25,131.5) U6.24 ; U5.42 v1(84.25,110.75)
  Top w0.5: R33.1 v1(64.5,94.5)
  In3.Cu w0.09: 61.25,76.6 57,76.6 56.5,76.1 56.5,74.1
  In3.Cu w0.115: 81.5,81 81.5,80.5 81.75,80.25 82.5,80.25 82.75,80.5 ; v1(64,94) v1(65.5,94) ; v1(64,93.5) v1(65.5,93.5) ; v1(35.75,48.75) 36.94,48.75 v1(36.95,48.76) 38.97,50.78 38.97,55.72 39.75,56.5 42,56.5 42.75,57.25 42.75,66.5 v1(43.25,67) ; 87,113.5 v1(87.5,113.5) v1(89.25,113.5) ; 87,113.5 87,115.4 86.75,115.65 86.75,116.05 ; 87,113.5 87,110.9 86.85,110.75 86.15,110.75 ; v1(41.25,67) v1(43.25,69) v1(41.25,71) v1(43.25,73) ; 47.5,84.25 48.75,85.5 48.75,101 v1(49.75,102) v1(51.75,102) ; v1(81.75,116.75) 81.25,116.25 81.25,115 81.5,114.75 ; v1(65.5,94.5) v1(65.5,93) v1(64,93) v1(64,94.5) v1(65.5,94.5) ; v1(65.5,94.5) 65.75,94.75 79.25,94.75 ; 83.85,111.15 83.8,111.2 83.8,112.3 82.7,112.3 ; v1(47.25,71) v1(48.25,70) v1(47.25,69) v1(48.25,68) 46.75,66.5 45.75,66.5 v1(45.25,67) 44.75,66.5 43.75,66.5 v1(43.25,67) ; 49.75,72.65 49.8,72.6 55.1,72.6 56.5,74 56.5,74.5 ; v1(43.25,67) v1(41.25,69) v1(43.25,71) v1(42.25,72) v1(41.25,73) ; v1(80.5,59.25) 80.1,58.85 80.1,55.85 79.88,55.62 77.88,55.62
  In3.Cu w0.14: v1(77.5,37.5) v1(77.5,38.5) 78.25,38.5 78.5,38.75 78.5,39.25 v1(79,39.75) v1(79,40.75) 80,41.75 80,46.25 ; v1(81.5,59.25) v1(82.5,59.25) v1(83.5,59.25) ; v1(81.5,59.25) v1(80.5,59.25) ; v1(81.5,59.25) 81.5,61.25 v1(81,61.75) 81,75.25 ; 47.75,70.5 49.33,70.5 49.75,70.92 49.75,82 47.5,84.25 v1(38.75,84.25) v1(38.75,82.25) ; 80,46.25 v1(81.5,46.25) ; 80,46.25 80,47.75 ; v1(93,66.75) v1(93,67.75) v1(92,67.75) v1(92,61.75) ; v1(81.5,113.5) 81.5,114.75 ; v1(81.5,113.5) 79.25,111.25 79.25,83.25 ; v1(81.5,113.5) 82.7,112.3 ; v1(96,128.25) 96.5,127.75 96.5,125.25 96.25,125 93.25,125 v1(92.75,125.5) 90.5,125.5 90,126 ; 83.85,111.15 v1(84.25,110.75) 86.15,110.75 ; v1(76.75,54) v1(76,54) v1(76,54.5) ; v1(76.75,54) 76.5,53.75 v1(76.5,52) 80,48.5 80,47.75 ; v1(76.75,54) v1(76.75,54.5) 77.88,55.62 ; 90,126 v1(90,128.25) 90,131 ; 90,126 89,126 86.75,123.75 86.75,116.05 ; v1(35.75,48.75) 35.25,48.25 v1(33,48.25) v1(33,49.25) ; v1(81.5,47.75) 80,47.75 ; 90,131 90,131.25 v1(90.25,131.5) ; 90,131 v1(88.5,131) ; v1(93,63.75) v1(93,61.75) v1(92,61.75) ; v1(84,76.75) 85.5,76.75 ; 85.5,76.75 85.5,79.5 84.5,80.5 82.75,80.5 ; 85.5,76.75 v1(89,76.75) 89,76.25 ; 82,75.25 83.5,75.25 v1(84,75.75) v1(89,75.75) 89,76.25 ; 82,75.25 81,75.25 ; 82,75.25 82,62.25 ; 82,75.25 v1(82,75.75) v1(82,76.75) ; 61.25,76.6 63.9,79.25 66.83,79.25 68.75,81.17 68.75,82.45 69.55,83.25 79.25,83.25 ; 89,76.25 92,76.25 ; v1(93,71.75) v1(93,70.75) v1(92,70.75) v1(92,76.75) v1(93,76.75) v1(93,74.75) ; v1(92,61.75) 91.56,61.31 89.44,61.31 v1(89,61.75) v1(84,61.75) 84,62.25 ; 81,75.25 v1(81,76.75) ; 82,62.25 v1(82,61.75) ; 82,62.25 84,62.25 ; 79.25,83.25 81.5,81 ; 84,62.25 v1(84,62.75) v1(89,62.75)
  Bottom w0.14: C50.1 v1(92,73.75)
  vias: v1(33,48.75) v1(36.95,49.3) v1(36.95,48.2) v1(38.75,83.75) v1(38.75,83.25) v1(38.75,82.75) v1(42.25,70) v1(42.25,68) v1(47.25,67) v1(50.25,102) v1(50.75,102) v1(51.25,102) v1(64.5,94) v1(64.5,93.5) v1(64.5,93) v1(65,94.5) v1(65,94) v1(65,93.5) v1(65,93) v1(76.5,53) v1(76.5,52.5) v1(77.5,38) v1(79,40.25) v1(80.5,47.75) v1(80.5,46.25) v1(81,75.75) v1(81,74.75) v1(81,73.75) v1(81,72.75) v1(81,71.75) v1(81,70.75) v1(81,69.75) v1(81,68.75) v1(81,67.75) v1(81,66.75) v1(81,65.75) v1(81,64.75) v1(81,63.75) v1(81,62.75) v1(81,47.75) v1(81,46.25) v1(82,74.75) v1(82,73.75) v1(82,72.75) v1(82,71.75) v1(82,70.75) v1(82,69.75) v1(82,68.75) v1(82,67.75) v1(82,66.75) v1(82,65.75) v1(82,64.75) v1(82,63.75) v1(82,62.75) v1(85,76.75) v1(85,75.75) v1(85,62.75) v1(85,61.75) v1(86,76.75) v1(86,75.75) v1(86,62.75) v1(86,61.75) v1(87,76.75) v1(87,75.75) v1(87,62.75) v1(87,61.75) v1(88,76.75) v1(88,75.75) v1(88,62.75) v1(88,61.75) v1(92,75.75) v1(92,74.75) v1(92,72.75) v1(92,71.75) v1(92,66.75) v1(92,65.75) v1(92,64.75) v1(92,63.75) v1(92,62.75) v1(93,75.75) v1(93,62.75)
/1V2: length 110
  Top w0.14: U9.30 v1(45.5,117.75) ; U9.14 v1(39.5,115) ; U9.26 v1(45.5,115.75) ; U9.23 v1(44,114.25) ; U9.39 v1(43.5,122) ; U9.18 v1(41.5,114.25)
  Top w0.5: v1(36.5,107.75) v1(37.5,107.75)
  In2.Cu w0.14: v1(64,81.5) 63.3,81.5 63.2,81.4 ; v1(63.2,61) 64.15,61 v1(64.4,61.25)
  In2.Cu w0.25: v1(63.2,61) 63.2,81.4
  In3.Cu w0.115: 61.25,90.25 59,92.5 59,100.5 54.5,105 42.5,105 39.75,107.75 38.75,107.75
  In3.Cu w0.14: 61.25,90.25 64,90.25 ; 64,90.25 v1(64,83) v1(64,81.5) ; 64,90.25 v1(69.25,90.25) ; 38.5,113.5 38.4,113.6 v1(37,113.6) v1(37,114.6) ; 38.5,113.5 38.5,114.5 39,115 v1(39.5,115) 41.5,115 ; 38.5,113.5 38.5,108.5 37.75,107.75 v1(36.5,107.75) ; 45.25,115 46,114.25 v1(46.75,114.25) ; 45.25,115 45.5,115.25 v1(45.5,115.75) 44.25,117 44.25,117.5 ; 45.25,115 44,115 ; v1(45.5,117.75) 44.5,117.75 44.25,117.5 ; 41.5,115 v1(41.5,114.25) ; 41.5,115 44,115 ; 44.25,117.5 44.25,121.5 C256.1 v1(43.5,122) ; v1(37.5,107.75) 38.75,107.75 ; 44,115 v1(44,114.25)
  Bottom w0.14: FB8.1 43.25,122.25 v1(43.5,122)
  vias: v1(37,107.75) v1(63.2,61.6) v1(64,82.5) v1(64,82) v1(65.25,90.25)
/1V8: length 253.2
  Top w0.14: U17.1 v1(31,86)
  In3.Cu w0.115: 28.5,82.75 28.6,82.85 v1(31.5,82.85) ; 11,62.5 13,62.5 ; 11,62.5 v1(11,66) 10.5,66.5 10.5,71.75 9.65,72.6 v1(5.2,72.6) 5.25,72.65 v1(5.25,73.75) ; 11,62.5 v1(11,62) ; 13,62.5 v1(13,66) 13.5,66.5 23.5,66.5 32,75 32,76.25 33.28,77.53 35.22,77.53 36.19,78.5 43.75,78.5 44.25,78 44.25,75.25 45.05,74.45 ; 13,62.5 v1(13,62) ; v1(46.25,72) v1(47.25,73) ; v1(46.25,72) v1(45.25,73) v1(44.25,72) ; v1(46.25,72) 45.75,71.5 45.75,70.5 v1(46.25,70) 46.65,69.6 46.65,68.4 v1(46.25,68) 45.75,68.5 44.75,68.5 v1(44.25,68) ; v1(24.75,84) v1(28.25,84) ; v1(48.25,72) v1(49.25,72)
  In3.Cu w0.14: 45,74.5 45.25,74.25 v1(45.25,73) ; 28.25,86 28.25,89.25 30.25,91.25 34.5,91.25 ; 28.25,86 v1(28.25,84) 28.5,83.75 28.5,76.5 30.5,74.5 31.5,74.5 ; 28.25,86 v1(31,86) 31.75,86 v1(32.5,85.25) ; v1(11,62) 11.5,61.5 11.5,50.5 15,47 v1(15,38.25) v1(15,37.25) 15.25,37 v1(15.25,35) v1(17,35) ; 34.5,91.25 v1(34.5,88.75) v1(34.5,87.75) v1(34,87.75) v1(34,88.75) ; 34.5,91.25 37.75,91.25 38,91.5 v1(38,92.25) ; v1(17,37.6) 16.85,37.75 v1(14.75,37.75)
  Bottom w0.25: C478.1 80.95,119.7 78.75,117.5 78.75,98.75 75.25,95.25 67.75,95.25 66.25,93.75 66.25,89.25 62,85 62,75.2 ; 62,75.2 62,72.5 61,71.5 58.5,71.5 57.5,72.5 53,72.5 52,73.5 47.75,73.5 v1(47.25,73) v1(48.25,72) ; 62,75.2 68.6,75.2 69,74.8 69,69.25 68.75,69 67.75,69 66.95,68.2 C195.1 65.39,68.2 ; FB11.2 83.29,119.75
  vias: v1(11,65) v1(11,64) v1(11,63) v1(13,65) v1(13,64) v1(13,63) v1(15.25,37.75) v1(25.5,84) v1(26.25,84) v1(27,84) v1(29.25,82.85) v1(30,82.85) v1(30.75,82.85) v1(34,88.25) v1(34.5,88.25)
/1V8_IO: length 672.5
  Top w0.115: v1(43.1,27.3) 43.4,27 U26.6 ; TP10.1 v1(19.25,84)
  Top w0.14: U9.40 v1(43,121) ; v1(34,85.5) U17.7 ; U17.8 v1(34,86) 34.01,85.99 34.01,84.51 v1(34,84.5) U17.5 ; v1(92.25,124.75) U6.41 ; U9.34 v1(44.75,119.75) ; v1(83.75,110) U5.41 ; v1(84.25,117.5) U5.19 ; U8.4 85.49,122.45 ; U9.16 v1(40.5,114) ; v1(92.75,132.25) U6.19 ; v1(80.75,114) U5.30 ; U6.30 v1(89.25,128.75)
  In4.Cu w0.115: v1(72.5,67.4) 71.3,67.4 ; v1(85.5,122.4) 85.85,122.4 86.5,121.75 86.5,119.75 ; 43.25,115 40.7,115 40.5,114.8 ; 40.75,63.5 v1(41.25,63) ; 40.75,63.5 40.75,60.75 41,60.5 41.75,60.5 v1(42.25,60) ; 40.75,63.5 40.75,66.5 ; v1(73.66,53.5) 73.3,53.5 73,53.2 ; 40.75,79.5 40.75,66.5 ; 40.75,79.5 40,79.5 39.75,79.25 39.75,78.75 ; 40.75,79.5 41.75,79.5 v1(42.25,80) 42.75,79.5 42.75,77.5 ; 40.75,66.5 v1(40.25,66) ; 38.75,62.5 v1(38.25,62) ; 38.75,62.5 38.75,59.5 v1(39.25,59) ; 38.75,62.5 38.75,69.5 ; v1(44.25,74) 43.75,74.5 43,74.5 42.75,74.75 42.75,77.5 ; v1(5,63.75) 5.25,64 v1(7,64) 7.5,64.5 8.5,64.5 v1(9,64) v1(10,64) ; v1(35.25,71) 34.75,71 ; 34.75,71 34.75,64 ; 34.75,71 34.75,73.5 v1(34.25,74) 34.75,74.5 36.6,74.5 ; 38.75,77.25 38.75,78.5 v1(39.25,79) 39.5,79 39.75,78.75 ; 38.75,77.25 38.75,72 ; 38.75,77.25 38.5,77.5 36.75,77.5 ; v1(36.25,68) 36.54,68 36.65,68.1 ; 38.75,72 38.75,69.5 ; 38.75,72 v1(38.25,72) ; 38.75,69.5 v1(39.25,69) ; 47.75,77.5 48.5,77.5 48.75,77.75 48.75,78.5 v1(49.25,79) 49.75,79.5 50.75,79.5 ; 47.75,77.5 46.75,77.5 v1(46.25,78) ; 47.75,77.5 47.75,75.5 v1(47.25,75) ; 68.75,89 59.5,89 59,88.5 59,80.25 58.75,80 ; v1(41.9,52.6) 40.85,52.6 40.25,52 35.25,52 v1(34.5,51.25) v1(34.5,50.25) 34,49.75 30.75,49.75 30.25,50.25 v1(30,50.25) v1(30,51.25) ; v1(53.25,77) 53.75,77 ; 53.75,77 53.75,74 ; 53.75,77 53.75,79.25 53.5,79.5 51.75,79.5 ; 50.75,73.5 v1(51.25,73) ; 50.75,73.5 50.75,71.75 50.5,71.5 49.75,71.5 v1(49.25,71) ; 50.75,73.5 50.75,76 ; 71.3,58.95 71.3,54.9 73,53.2 ; 77.25,114.5 77.25,112 77,111.75 v1(75.75,111.75) ; 77.25,114.5 80.25,114.5 v1(80.75,114) ; 77.25,114.5 76,114.5 v1(75.75,114.25) ; 36.6,74.5 36.75,74.5 v1(37.25,75) ; 36.6,74.5 36.65,74.45 36.65,68.1 ; v1(10,61) v1(10,66) v1(10,67) 10.5,67.5 13.5,67.5 v1(14,67) ; v1(37.25,65) 36.65,65.6 36.65,68.1 ; 53.5,70.5 53.75,70.75 53.75,74 ; 53.5,70.5 54.75,70.5 v1(55.25,71) 57.5,71 58,70.5 v1(58,69) 61.3,69 ; 53.5,70.5 52.75,70.5 v1(52.25,70) 51.75,69.5 51.75,67.75 51.5,67.5 49.75,67.5 v1(49.25,67) ; 39.75,78.75 39.75,75.5 ; 58.75,80 62.25,80 ; 58.75,80 57.75,80 ; 62.25,80 62.5,80 63.25,79.25 63.25,76.5 63.54,76.21 v1(64.7,76.21) 64.71,76.21 65.3,76.8 v1(66.1,76.8) ; 62.25,80 62.91,80 v1(64.7,78.21) ; 34.75,64 v1(34.25,64) ; 34.75,64 34.75,61.5 v1(35.25,61) 34.75,60.5 ; v1(54.9,54.4) 54.9,53.2 v1(56,52.1) 56,50.9 55.4,50.3 46.5,50.3 ; v1(36.25,78) 36.75,77.5 ; 36.75,77.5 36.75,75.5 v1(37.25,75) ; 50.75,76 v1(50.25,76) ; 50.75,76 50.75,79.5 ; 51.75,79.5 v1(52.25,80) ; 51.75,79.5 50.75,79.5 ; 53.75,74 v1(54.25,74) ; v1(14,67) 14.6,67.6 14.6,71.2 17.5,74.1 17.5,84 ; v1(14,67) v1(14,61) 14.5,60.5 14.5,59.94 14.84,59.6 17.4,59.6 ; 42.75,77.5 v1(43.25,77) ; v1(5.25,71.25) 5,71 v1(5,69.75) v1(5,58.75) 5.25,58.5 v1(5.25,57.25) ; 73,53.2 73,51.3 73.1,51.2 73.61,51.2 v1(73.66,51.25) ; 39.75,75.5 37.75,75.5 v1(37.25,75) ; 39.75,75.5 v1(40.25,76) ; 88,121.25 88.25,121.25 ; 29.75,88.75 18,88.75 17.5,88.25 17.5,84 ; 40.75,90 42,91.25 42,105.75 38.47,109.28 ; v1(15,64) v1(14,64) ; 19.5,54.75 19.5,57.5 ; 82.75,116.35 82.75,115.15 81.9,114.3 81.9,110.85 82.75,110 v1(83.75,110) ; v1(19.25,84) 17.5,84 ; v1(89.5,110.25) 89.5,109.25 v1(88,107.75) 85.5,107.75 v1(85.25,108)